# Altium PCB Wireframe.PcbDoc (part 1 of 2)
Units mil, origin at the board's own origin, x right, y up, seen from the top; angles counter-clockwise.
Board outline 1950 x 980 mil, 4 copper layers (Top Layer, power, GND, Bottom Layer), stack 65.6 mil thick; 103 components, 106 nets, 512 pads, 260 vias.
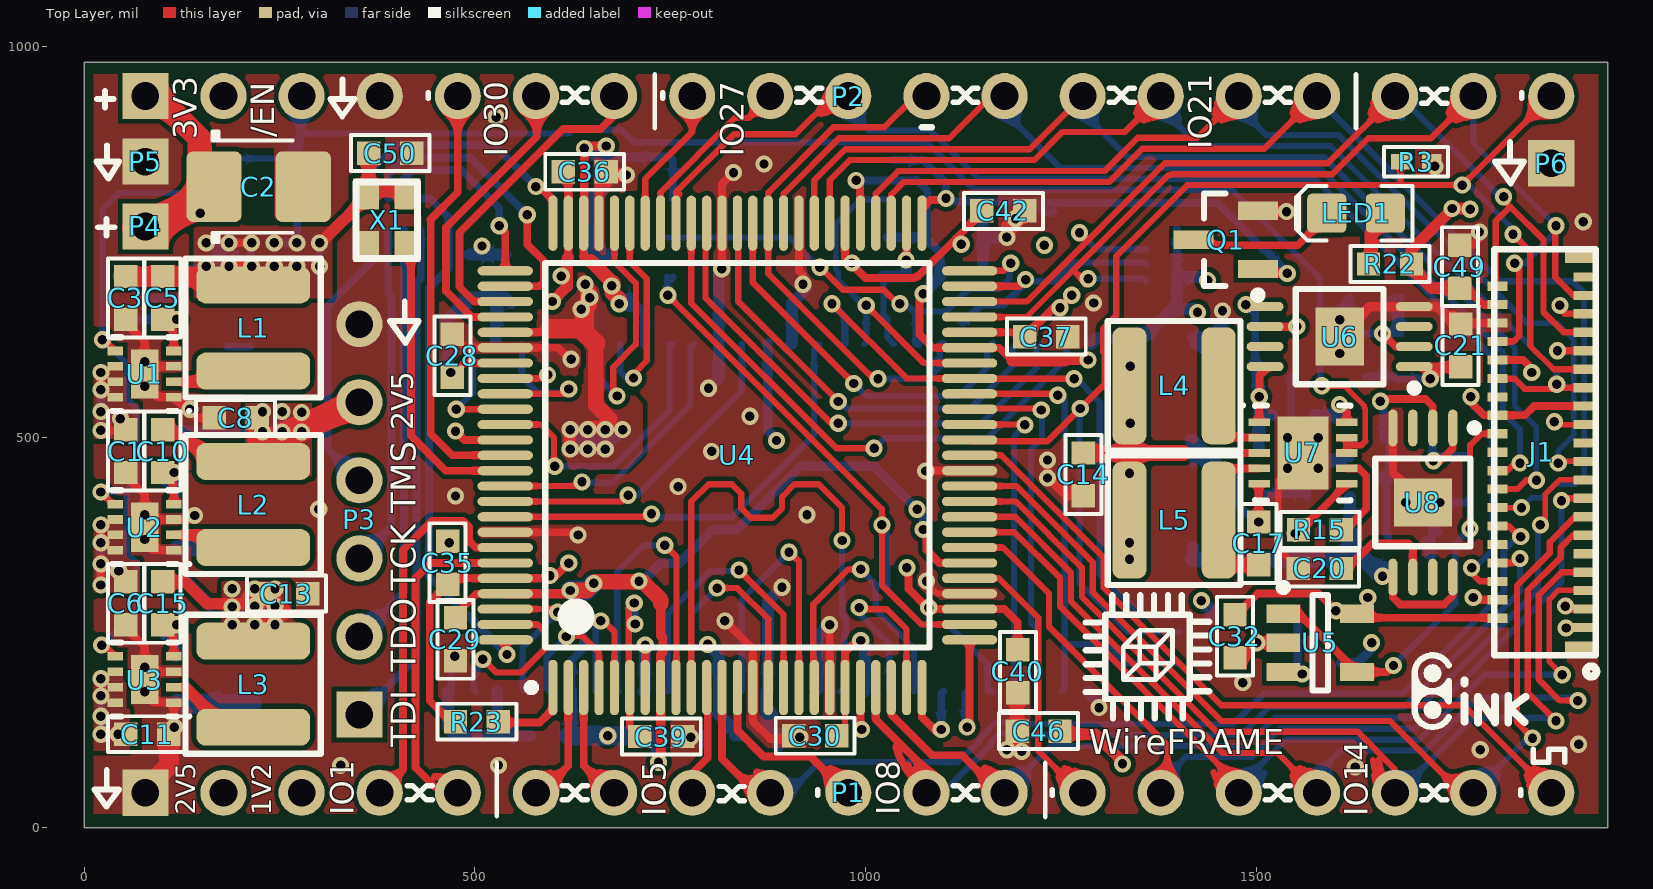
[diagram p0: Top Layer view]
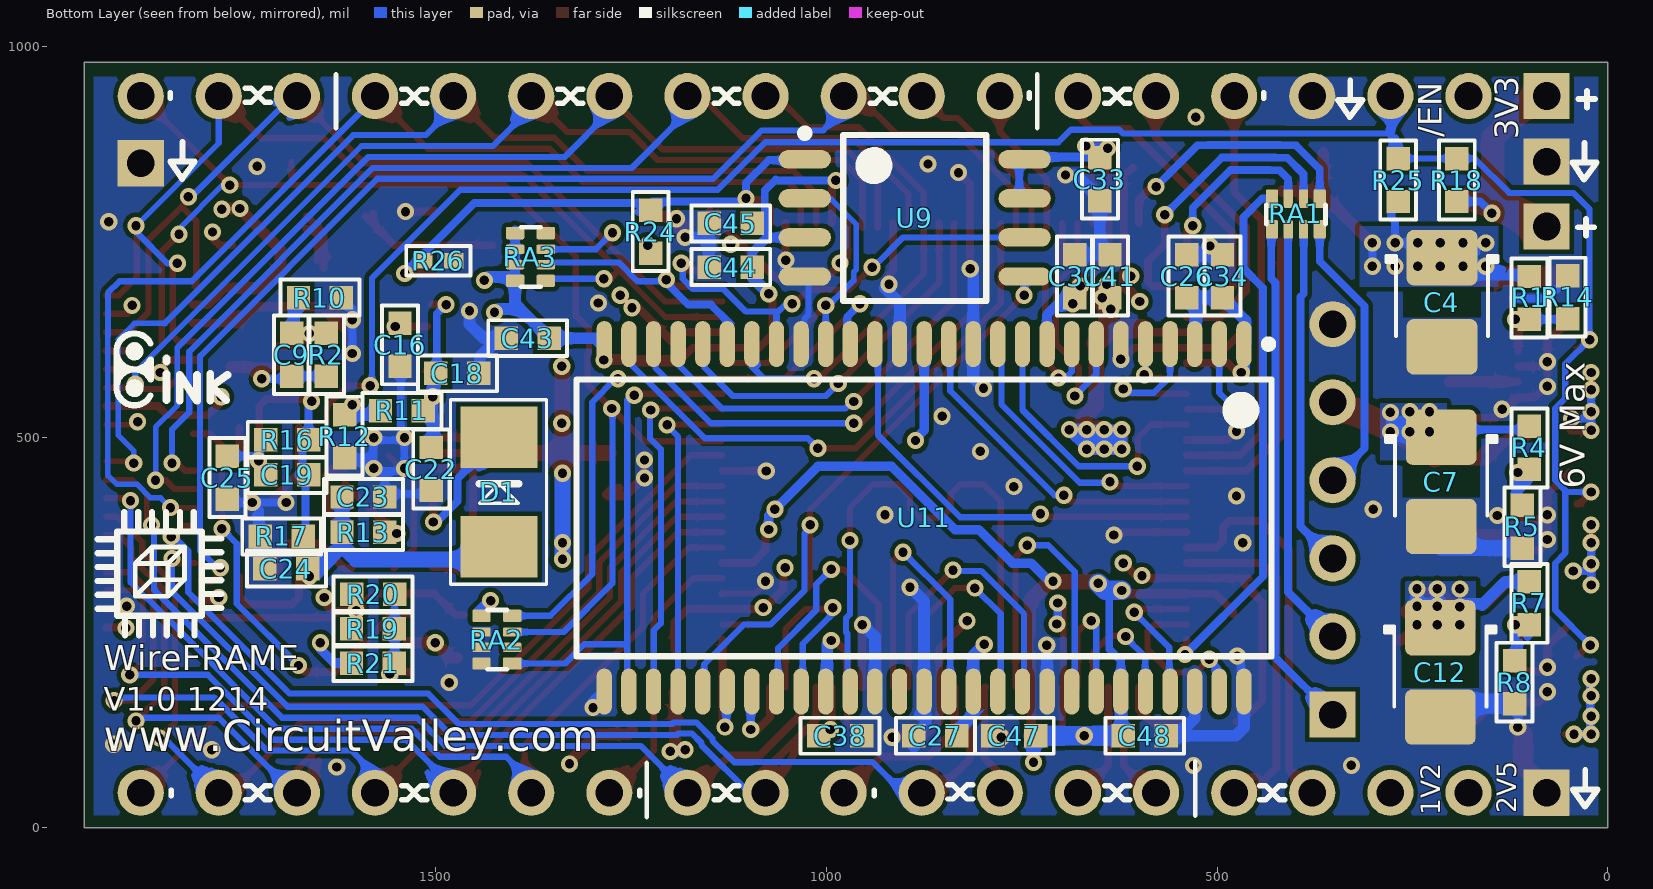
[diagram p1: Bottom Layer view, seen from below]
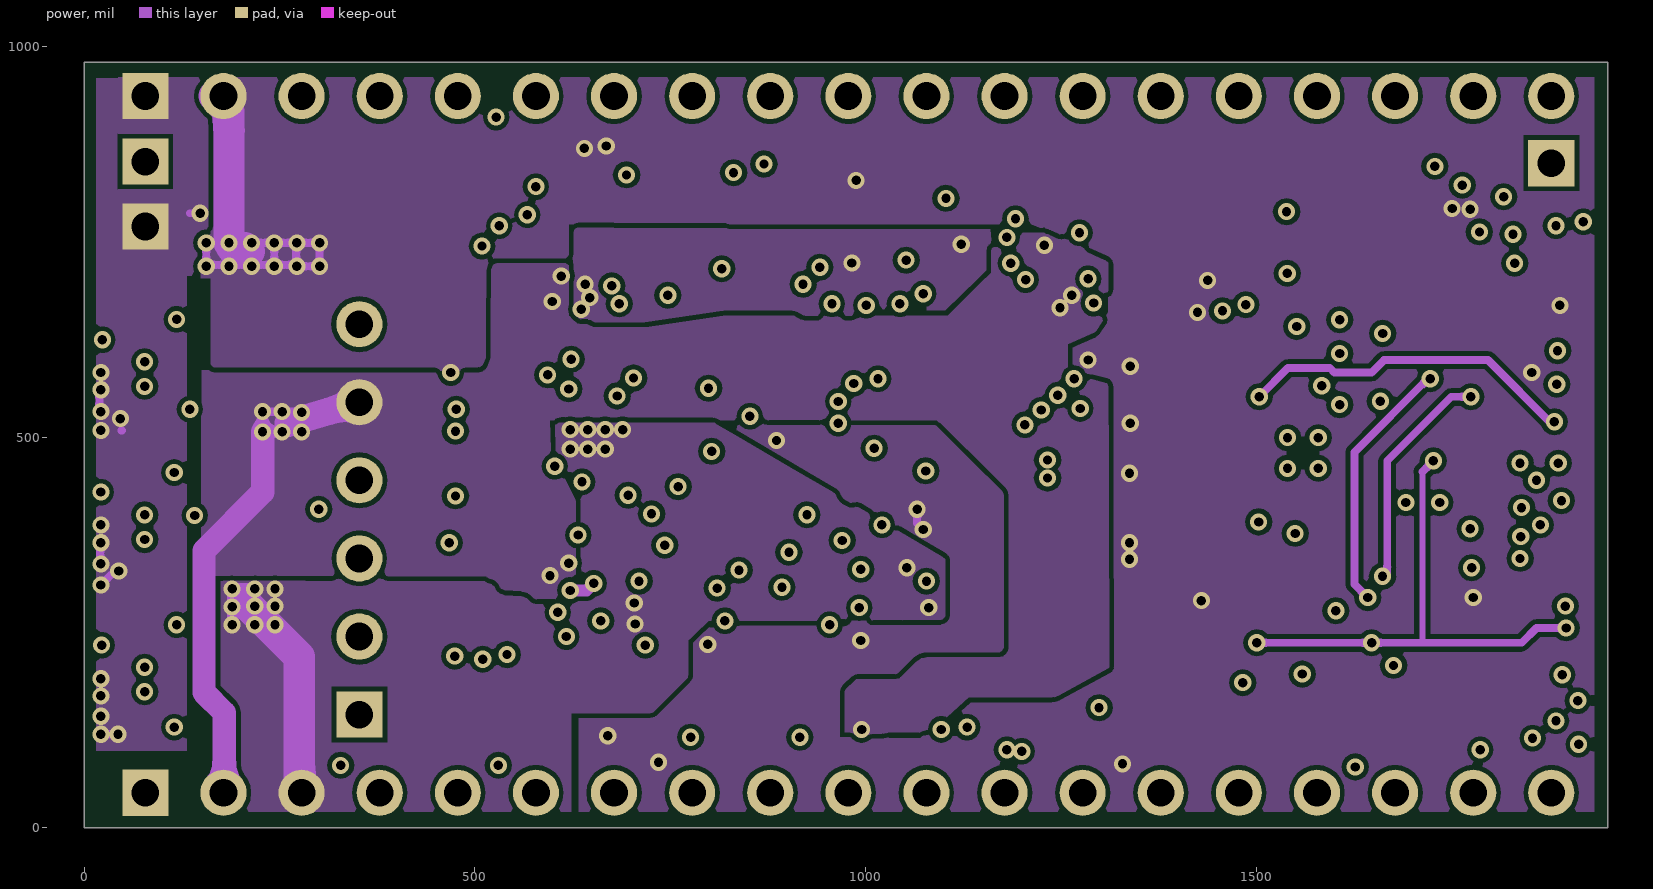
[diagram p2: power]
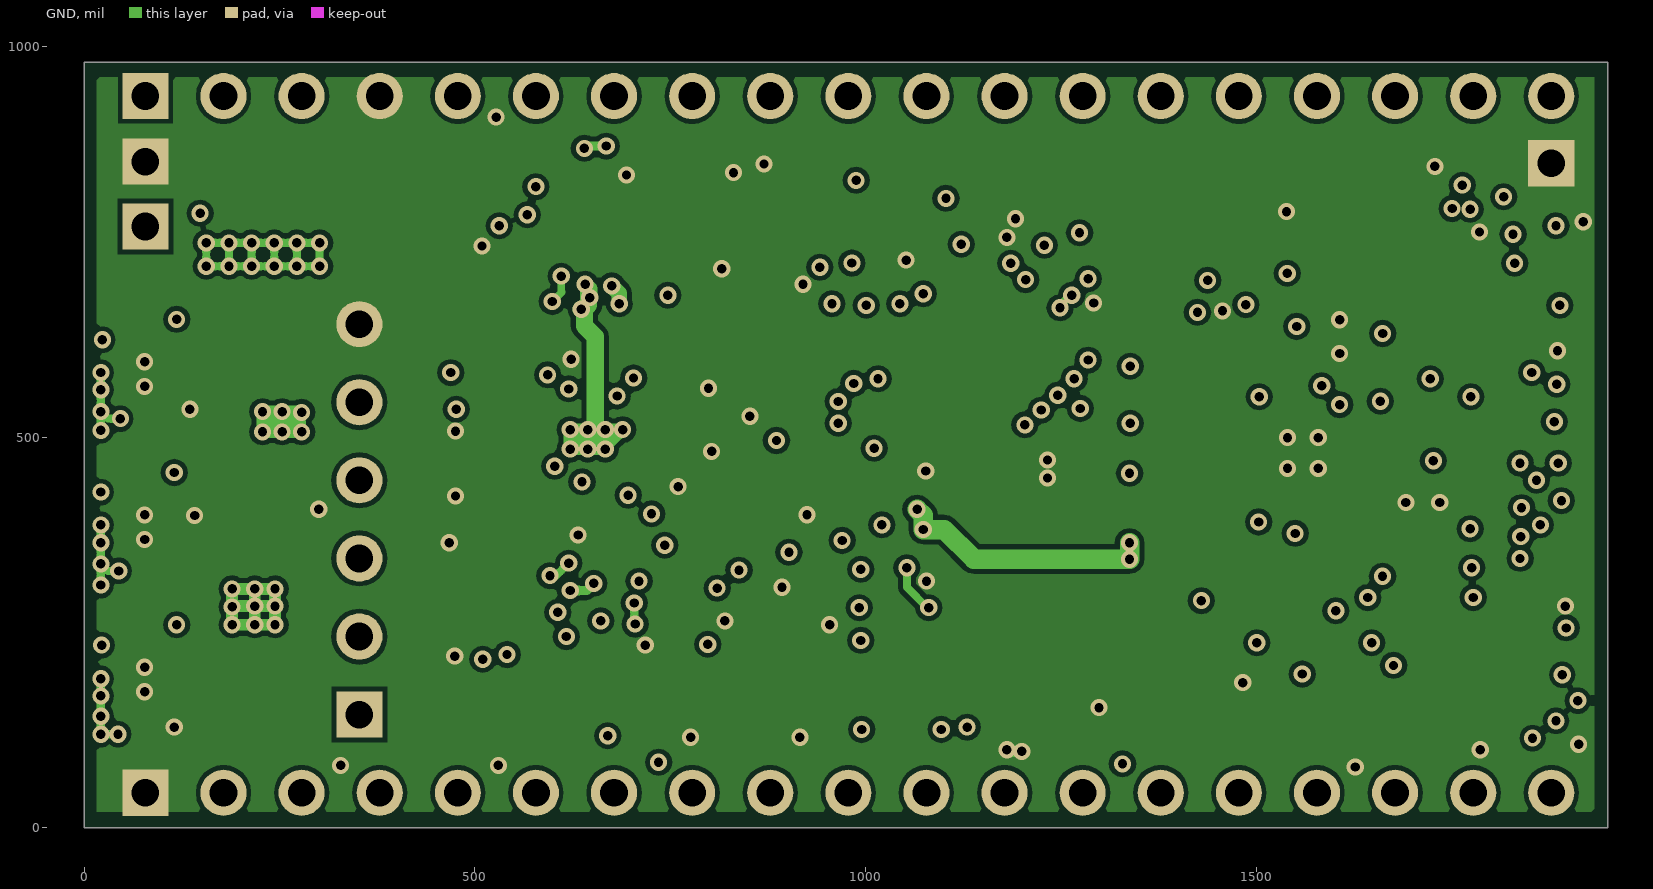
[diagram p3: GND]

## Layer stack, top to bottom
Top Solder: solder mask 0.4, Solder Resist, Dk 3.5
Top Layer: signal copper 1.4
Dielectric1: core 20, FR-4, Dk 4.8
power: signal copper 1.4
Dielectric2: prepreg 20, FR-4, Dk 4.8
GND: signal copper 1.4
Dielectric3: core 20, FR-4, Dk 4.8
Bottom Layer: signal copper 1.4
Bottom Solder: solder mask 0.4, Solder Resist, Dk 3.5

## Board outline
0,0 0,980 1950,980 1950,0 0,0

## Design rules (kind name [scope] priority, off if disabled: settings)
Clearance [All] p1: gap=6
ComponentClearance [All] p1: gap=0 collisioncheckmode=3 verticalgap=0 showdistances=FALSE
HoleSize [All] p1: absolutevalues=TRUE maxlimit=500 minlimit=8 maxpercent=80.000 minpercent=20.000
MinimumSolderMaskSliver [All] p1: minsoldermaskwidth=0
PlaneConnect [All] p1: planeconnectstyle=Relief reliefexpansion=8 reliefentries=4 reliefconductorwidth=8 reliefairgap=0
PolygonConnect [All] p1: connectstyle=Direct reliefconductorwidth=0 reliefentries=4 polygonreliefangle="90 Angle" airgapwidth=0
RoutingVias [All] p1: holewidth=18 width=24 viastyle="Through Hole" minholewidth=8 minwidth=13 maxholewidth=200 maxwidth=200
SilkToSilkClearance [All] p1: silktosilkclearance=0
SilkToSolderMaskClearance [IsPad] p1: minsilkscreentomaskgap=0 clearancetoexposedcopper=TRUE
SolderMaskExpansion [All] p1: expansion=3.6
Width [All] p1: maxlimit=500 minlimit=6 preferedwidth=10
24 further rules are at their usual default settings.

## Components (designator, comment, footprint, x,y, rotation, side; value= is the part's Value field where it differs from the comment)
C1 "10uF" 0603C-GENERIC 53,455 r90 top
C2 "47µ" CAPMP3528X210N 223,821 r0 top
C3 "10uF" 0603C-GENERIC 53,651 r90 top
C4 "47µ" CAPMP3528X210N 212,673 r270 bottom
C5 "10uF" 0603C-GENERIC 100,651 r90 top
C6 "10uF" 0603C-GENERIC 53,260 r90 top
C7 "47µ" CAPMP3528X210N 213,443 r270 bottom
C8 "10uF" 0603C-GENERIC 166,525 r0 top
C9 "1uF" 0603C-GENERIC 1684.54,578.28 r90 bottom
C10 "10uF" 0603C-GENERIC 100,455 r90 top
C11 "10uF" 0603C-GENERIC 108,120 r180 top
C12 "47µ" CAPMP3528X210N 214,199 r270 bottom
C13 "10uF" 0603C-GENERIC 286,300 r180 top
C14 "10uF" 0603C-GENERIC 1279,425 r90 top
C15 "10uF" 0603C-GENERIC 100,260 r90 top
C16 "1uF" 0603C-GENERIC 1546,591 r90 bottom
C17 "1uF" 0603C-GENERIC 1503.32,391.69 r270 top
C18 "22uF" 0603C-GENERIC 1445,582 r0 bottom
C19 "1uF" 0603C-GENERIC 1718,452 r180 bottom
C20 "1uF" 0603C-GENERIC 1608.93,332.16 r180 top
C21 "22uF" 0603C-GENERIC 1761.93,645.16 r270 top
C22 "22uF" 0603C-GENERIC 1506,432 r90 bottom
C23 "22uF" 0603C-GENERIC 1565.32,423.69 r0 bottom
C24 "22uF" 0603C-GENERIC 1719,332 r180 bottom
C25 "22uF" 0603C-GENERIC 1767,421 r90 bottom
C26 "100nf" 0603C-GENERIC 539,734 r270 bottom
C27 "100nf" 0603C-GENERIC 888,118 r180 bottom
C28 "100nf" 0603C-GENERIC 471,632 r270 top
C29 "100nf" 0603C-GENERIC 475,214 r90 top
C30 "100nf" 0603C-GENERIC 908,118 r0 top
C31 "100nf" 0603C-GENERIC 682,734 r270 bottom
C32 "100nf" 0603C-GENERIC 1473,218 r90 top
C33 "100nf" 0603C-GENERIC 650,803 r90 bottom
C34 "100nf" 0603C-GENERIC 493,734 r270 bottom
C35 "100nf" 0603C-GENERIC 465,367 r270 top
C36 "100nf" 0603C-GENERIC 668,840 r180 top
C37 "100nf" 0603C-GENERIC 1259,629 r180 top
C38 "100nf" 0603C-GENERIC 955,118 r0 bottom
C39 "100nf" 0603C-GENERIC 766,117 r180 top
C40 "100nf" 0603C-GENERIC 1195,173 r90 top
C41 "100nf" 0603C-GENERIC 637,734 r270 bottom
C42 "100nf" 0603C-GENERIC 1204,790 r180 top
C43 "100nf" 0603C-GENERIC 1410,627 r180 bottom
C44 "100nf" 0603C-GENERIC 1150,718 r180 bottom
C45 "100nf" 0603C-GENERIC 1150,774 r180 bottom
C46 "100nf" 0603C-GENERIC 1194,124 r0 top
C47 "100nf" 0603C-GENERIC 787,118 r180 bottom
C48 "100nf" 0603C-GENERIC 565,118 r0 bottom
C49 "100nf" 0603C-GENERIC 1761,746 r270 top
C50 "100nf" 0603C-GENERIC 419,864 r180 top
D1 "SS4822" DIODE-SMA 1419.32,325.69 r270 bottom
J1 "FH26-39S-0.3SHW" FH26-39S-0.3SHW 1864,481 r90 top
L1 "Inductor" TAIYO_NRS4018T2R2MDGJ 216,640 r90 top
L2 "Inductor" TAIYO_NRS4018T2R2MDGJ 216,414 r90 top
L3 "Inductor" TAIYO_NRS4018T2R2MDGJ 216,184 r90 top
L4 "10uh" IFSC-1515AH-01 1395,566 r0 top
L5 "10uh" IFSC-1515AH-01 1395,394 r0 top
LED1 "Blue" LED-0805-K 1628,787 r180 top
P1 "Header 19" HDR1X19 78,45 r0 top
P2 "Header 19" HDR1X19 78,937 r0 top
P3 "Header 6" HDR1X6 352,145 r90 top
P4 "Plug" PIN1#1 -138.94,871 r180 top
P5 "Plug" PIN1#2 -308,832 r180 top
P6 "Plug" PIN1#3 1878,851 r0 top
Q1 "UN2214" SOT23_N 1461,753 r180 top
R1 "2K2" 0603R-2K2 100,651 r90 bottom
R2 "2K2" 0603R-2K2 1640.54,633.28 r270 bottom
R3 "100R" 0402R-GENERIC 1685,853 r0 top
R4 "2K2" 0603R-2K2 100,459 r90 bottom
R5 "2K2" 0603R-2K2 109,358 r90 bottom
R7 "2K2" 0603R-2K2 100,260 r90 bottom
R8 "2K2" 0603R-2K2 119,159 r90 bottom
R10 "2K2" 0603R-2K2 1676,679 r180 bottom
R11 "2K2" 0603R-2K2 1571,534 r180 bottom
R12 "2K2" 0603R-2K2 1617,474 r90 bottom
R13 "2K2" 0603R-2K2 1565.32,378.69 r0 bottom
R14 "2K2" 0603R-2K2 51,707 r270 bottom
R15 "2K2" 0603R-2K2 1609.32,381.69 r180 top
R16 "2K2" 0603R-2K2 1663,497 r0 bottom
R17 "2K2" 0603R-2K2 1669.93,373.16 r0 bottom
R18 "2K2" 0603R-2K2 193,857 r270 bottom
R19 "2K2" 0603R-2K2 1553.16,255 r0 bottom
R20 "2K2" 0603R-2K2 1552.91,299 r0 bottom
R21 "2K2" 0603R-2K2 1608.16,211 r180 bottom
R22 "2K2" 0603R-2K2 1644,722 r0 top
R23 "4K7" 0603R-2K2 530,136 r180 top
R24 "330R" 0603R-2K2 1225,791 r270 bottom
R25 "330R" 0603R-2K2 268,857 r270 bottom
R26 "100R" 0402R-GENERIC 1517,726 r180 bottom
RA1 "Thick Film" EXV28V 399,786 r270 bottom
RA2 "Thick Film" EXV28V 1422,241 r180 bottom
RA3 "Thick Film" EXV28V 1379,731 r180 bottom
U1 "TPS62065DSGR" DSG8-1600X900TP 77,581 r180 top
U2 "TPS62065DSGR" DSG8-1600X900TP 77,385 r180 top
U3 "TPS62065DSGR" DSG8-1600X900TP 77,190 r180 top
U4 "XC3S250E-4VQ100C" VQ100_N 836,477 r90 top
U5 "OPA244NA/250" TI-DBV5_N 1582.16,237 r0 top
U6 "TPS7A4901DGNR" TI-DGN8-1760X1425TP_N 1607,629 r180 top
U7 "LT3463AEDD" LT-DD-10_V 1560,480 r0 top
U8 "TPS7A3001DGNR" TI-DGN8-1760X1425TP_N 1713.54,416.63 r270 top
U9 "SST25VF016B-50-4C-S2AF" MCHP-SOIC-S2A8_N 887,781 r180 bottom
U11 "K4S511632B-TC75" 54_TSOP2_400AF_N 875,397 r270 bottom
X1 "DSO221SR" "Active Oscillator 2520" 387,778 r270 top

## Footprints (in the part's own frame and the unit in brackets; to place one, negate y for a bottom-side part, rotate by r counter-clockwise, add the part's x,y. Pads: shape width x height; smd on the part's side, far side on the other; paste and mask are expansions set on the pad)
54_TSOP2_400AF_N [mm] "SOP, 54-Leads, Body 22.5x10.16mm, Pitch 0.8mm, IPC Medium Density"
  oval 1.5x0.5 smd: 1(-5.65,10.4) 2(-5.65,9.6) 3(-5.65,8.8) 4(-5.65,8) 5(-5.65,7.2) 6(-5.65,6.4) 7(-5.65,5.6) 8(-5.65,4.8) 9(-5.65,4) 10(-5.65,3.2) 11(-5.65,2.4) 12(-5.65,1.6) 13(-5.65,0.8) 14(-5.65,0) 15(-5.65,-0.8) 16(-5.65,-1.6) 17(-5.65,-2.4) 18(-5.65,-3.2) 19(-5.65,-4) 20(-5.65,-4.8) 21(-5.65,-5.6) 22(-5.65,-6.4) 23(-5.65,-7.2) 24(-5.65,-8) 25(-5.65,-8.8) 26(-5.65,-9.6) 27(-5.65,-10.4) 28(5.65,-10.4) 29(5.65,-9.6) 30(5.65,-8.8) 31(5.65,-8) 32(5.65,-7.2) 33(5.65,-6.4) 34(5.65,-5.6) 35(5.65,-4.8) 36(5.65,-4) 37(5.65,-3.2) 38(5.65,-2.4) 39(5.65,-1.6) 40(5.65,-0.8) 41(5.65,0) 42(5.65,0.8) 43(5.65,1.6) 44(5.65,2.4) 45(5.65,3.2) 46(5.65,4) 47(5.65,4.8) 48(5.65,5.6) 49(5.65,6.4) 50(5.65,7.2) 51(5.65,8) 52(5.65,8.8) 53(5.65,9.6) 54(5.65,10.4)
  silkscreen extent -5.77,-11.3 4.5,11.32, body extent -5.08,-11.23 5.08,11.23, height 1.2
0402R-GENERIC [mil]
  rect 25x20 smd: 1(0,0) 2(40,0)
  silkscreen extent -21,-19 61,19, body extent -6,-10 46,10, height 14
0603C-GENERIC [mil] "CAPACITOR 0603"
  rect 30x30 smd: 1(0,0) 2(55,0)
  silkscreen extent -23,-23 78,23, body extent -4,-15 59,15, height 19
0603R-2K2 [mil] "RESISTOR 0603"
  rect 30x30 smd: 1(0,0) 2(55,0)
  silkscreen extent -23,-23 78,23, body extent -4,-15 59,15, height 20
"Active Oscillator 2520" [mm] "2520"
  rect 1x0.85 smd: 1(-0.85,-0.675) 2(0.85,-0.675) 3(0.85,0.675) 4(-0.85,0.675)
  silkscreen extent -1.25,-1 1.25,1, body extent -1.25,-1 1.25,1, height 0.56
CAPMP3528X210N [mm] "Molded body capacitor, Body 3.5x2.8mm, 1210, IPC Nominal settings"
  round 0.254 on Mech14: 0(0,0)
  rrect25% 1.8x2.3 smd: 1(-1.45,0) 2(1.45,0)
  Top Layer pour cut-out: -0.508,1.27 0.508,1.27 0.508,-1.27 -0.508,-1.27
  silkscreen extent -1.5,-1.8 1.1,1.8, body extent -1.75,-1.4 1.75,1.4, height 2.1
DIODE-SMA [mm]
  rect 2x2.5 smd: A(-0.875,0) K(-4.425,0)
  silkscreen extent -5.65,-1.58 0.35,1.55, body extent -5.2,-1.3 0,1.3, height 2.4
DSG8-1600X900TP [mm] "SON, 8-Leads, Body 2x2mm, Pitch 0.5mm, Thermal Pad 1.6x0.9mm, TI Recommended"
  rect 0.5x0.28 smd paste-0.14 mask+0.07: 1(-0.95,0.75) 2(-0.95,0.25) 3(-0.95,-0.25) 4(-0.95,-0.75) 5(0.95,-0.75) 6(0.95,-0.25) 7(0.95,0.25) 8(0.95,0.75)
  rect 0.9x1.6 smd paste-0.45 mask+0.07: 9(0,0)
  silkscreen extent -1.5,-1.2 1.05,1.25, body extent -1.05,-1.05 1.05,1.05, height 0.8
EXV28V [mm] "resistor network"
  round 0.254 on Mech14: 0(0,0)
  rrect25% 0.6x0.4 smd: 1(-0.5,0.775) 4(-0.5,-0.775) 5(0.5,-0.775) 8(0.5,0.775)
  rrect25% 0.6x0.3 smd: 2(-0.5,0.25) 3(-0.5,-0.25) 6(0.5,-0.25) 7(0.5,0.25)
  silkscreen extent -0.3,-0.97 0.33,0.97, body extent -0.5,-1 0.5,1, height 0.35
FH26-39S-0.3SHW [mm]
  rect 0.3x0.8 smd: 1(-5.7,-1.475) 3(-5.1,-1.475) 5(-4.5,-1.475) 7(-3.9,-1.475) 9(-3.3,-1.475) 11(-2.7,-1.475) 13(-2.1,-1.475) 15(-1.5,-1.475) 17(-0.9,-1.475) 19(-0.3,-1.475) 21(0.3,-1.475) 23(0.9,-1.475) 25(1.5,-1.475) 27(2.1,-1.475) 29(2.7,-1.475) 31(3.3,-1.475) 33(3.9,-1.475) 35(4.5,-1.475) 37(5.1,-1.475) 39(5.7,-1.475)
  rect 0.3x0.65 smd: 2(-5.4,1.4) 4(-4.8,1.4) 6(-4.2,1.4) 8(-3.6,1.4) 10(-3,1.4) 12(-2.4,1.4) 14(-1.8,1.4) 16(-1.2,1.4) 18(-0.6,1.4) 20(0,1.4) 22(0.6,1.4) 24(1.2,1.4) 26(1.8,1.4) 28(2.4,1.4) 30(3,1.4) 32(3.6,1.4) 34(4.2,1.4) 36(4.8,1.4) 38(5.4,1.4)
  rect 0.4x0.95 smd: 40(-6.35,-1.275) 41(6.35,-1.275)
  silkscreen extent -7.3,-1.82 6.6,1.5, body extent -6.6,-1.85 6.6,1.65, height 0.99
HDR1X6 [mm] "Connector; Header; 6 Position"
  rect 1.5x1.5 hole 0.9: 1(0,0)
  round 1.5 hole 0.9: 2(2.54,0) 3(5.08,0) 4(7.62,0) 5(10.16,0) 6(12.7,0)
HDR1X19 [mm] "Connector; Header; 19 Position"
  rect 1.5x1.5 hole 0.9: 1(0,0)
  round 1.5 hole 0.9: 2(2.54,0) 3(5.08,0) 4(7.62,0) 5(10.16,0) 6(12.7,0) 7(15.24,0) 8(17.78,0) 9(20.32,0) 10(22.86,0) 11(25.4,0) 12(27.94,0) 13(30.48,0) 14(33.02,0) 15(35.56,0) 16(38.1,0) 17(40.64,0) 18(43.18,0) 19(45.72,0)
IFSC-1515AH-01 [mm] "Vishay Dale Low Profile, High Current Inductors"
  rrect50% 1.1x3.8 smd: 1(-1.45,0) 2(1.45,0)
  silkscreen extent -2.16,-2.11 2.16,2.11, body extent -1.97,-1.95 1.98,2, height 1.65
LED-0805-K [mil]
  round 20 on Mech14: 0(0,0)
  rrect25% 50x50 smd: A(-37.5,0) K(37.5,0)
  Top Layer pour cut-out: -15,30 15,30 15,-30 -15,-30
  silkscreen extent -72,-35 77,35, body extent -39,-25 39,25, height 31
LT-DD-10_V [mm] "SON, 10-Leads, Body 3x3mm, Pitch 0.5mm, Thermal Pad 2.38x1.65mm"
  rect 0.7x0.25 smd mask+0.102: 1(-1.425,1) 2(-1.425,0.5) 3(-1.425,0) 4(-1.425,-0.5) 5(-1.425,-1) 6(1.425,-1) 7(1.425,-0.5) 8(1.425,0) 9(1.425,0.5) 10(1.425,1)
  rect 1.65x2.38 smd mask+0.102: 11(0,0)
  silkscreen extent -2,-1.55 1.55,1.6, body extent -1.5,-1.5 1.5,1.5, height 0.8
MCHP-SOIC-S2A8_N [mm] "SOIC, 8-Leads, Body 5.275x5.275mm, Pitch 1.27mm, IPC Medium Density"
  oval 1.7x0.6 smd: 1(-3.575,1.905) 2(-3.575,0.635) 3(-3.575,-0.635) 4(-3.575,-1.905) 5(3.575,-1.905) 6(3.575,-0.635) 7(3.575,0.635) 8(3.575,1.905)
  silkscreen extent -3.7,-2.7 2.33,2.88, body extent -2.7,-2.7 2.7,2.7, height 2.16
PIN1#1 [mm] "Connector; Plug"
  rect 1.5x1.5 hole 0.9: 1(-5.51,2.565)
PIN1#2 [mm] "Connector; Plug"
  rect 1.5x1.5 hole 0.9: 1(-9.804,-0.533)
PIN1#3 [mm] "Connector; Plug"
  rect 1.5x1.5 hole 0.9: 1(0,0)
SOT23_N [mm] "SOT23, 3-Leads, Body 2.9x1.3mm, Pitch 0.95mm, Lead Span 2.3mm, IPC Medium Density"
  rect 1.3x0.6 smd: 1(-1.05,0.95) 2(-1.05,-0.95) 3(1.05,0)
  silkscreen extent -1.18,-1.5 0.7,1.92, body extent -0.7,-1.5 0.7,1.5, height 1.1
TAIYO_NRS4018T2R2MDGJ [mm] "TAIYO"
  rrect50% 1.2x3.7 smd: 1(-1.4,0) 2(1.4,0)
  silkscreen extent -2.26,-2.2 2.26,2.2, body extent -1.5,-1.5 1.5,1.5, height 1.35
TI-DBV5_N [mm] "SOT23, 5-Leads, Body 2.9x1.6mm, Pitch 0.95mm, IPC Medium Density"
  rect 1.1x0.6 smd: 1(-1.2,0.95) 2(-1.2,0) 3(-1.2,-0.95) 4(1.2,-0.95) 5(1.2,0.95)
  silkscreen extent -1.32,-1.55 0.25,1.92, body extent -0.87,-1.52 0.87,1.53, height 1.45
TI-DGN8-1760X1425TP_N [mm] "SOIC, 8-Leads, Body 3x3mm, Pitch 0.65mm, Thermal Pad 1.76x1.425mm, IPC Medium Density"
  oval 1.2x0.3 smd: 1(-2.425,0.975) 2(-2.425,0.325) 3(-2.425,-0.325) 4(-2.425,-0.975) 5(2.425,-0.975) 6(2.425,-0.325) 7(2.425,0.325) 8(2.425,0.975)
  rect 1.57x1.89 smd: 9(0,0)
  silkscreen extent -2.55,-1.55 1.43,1.8, body extent -1.55,-1.55 1.55,1.55, height 1.1
VQ100_N [mm] "Thin QFP, 100-Leads, Body 14x14mm, Pitch 0.5mm, IPC Medium Density"
  oval 1.8x0.3 smd: 1(-7.55,6) 2(-7.55,5.5) 3(-7.55,5) 4(-7.55,4.5) 5(-7.55,4) 6(-7.55,3.5) 7(-7.55,3) 8(-7.55,2.5) 9(-7.55,2) 10(-7.55,1.5) 11(-7.55,1) 12(-7.55,0.5) 13(-7.55,0) 14(-7.55,-0.5) 15(-7.55,-1) 16(-7.55,-1.5) 17(-7.55,-2) 18(-7.55,-2.5) 19(-7.55,-3) 20(-7.55,-3.5) 21(-7.55,-4) 22(-7.55,-4.5) 23(-7.55,-5) 24(-7.55,-5.5) 25(-7.55,-6) 51(7.55,-6) 52(7.55,-5.5) 53(7.55,-5) 54(7.55,-4.5) 55(7.55,-4) 56(7.55,-3.5) 57(7.55,-3) 58(7.55,-2.5) 59(7.55,-2) 60(7.55,-1.5) 61(7.55,-1) 62(7.55,-0.5) 63(7.55,0) 64(7.55,0.5) 65(7.55,1) 66(7.55,1.5) 67(7.55,2) 68(7.55,2.5) 69(7.55,3) 70(7.55,3.5) 71(7.55,4) 72(7.55,4.5) 73(7.55,5) 74(7.55,5.5) 75(7.55,6)
  oval 0.3x1.8 smd: 26(-6,-7.55) 27(-5.5,-7.55) 28(-5,-7.55) 29(-4.5,-7.55) 30(-4,-7.55) 31(-3.5,-7.55) 32(-3,-7.55) 33(-2.5,-7.55) 34(-2,-7.55) 35(-1.5,-7.55) 36(-1,-7.55) 37(-0.5,-7.55) 38(0,-7.55) 39(0.5,-7.55) 40(1,-7.55) 41(1.5,-7.55) 42(2,-7.55) 43(2.5,-7.55) 44(3,-7.55) 45(3.5,-7.55) 46(4,-7.55) 47(4.5,-7.55) 48(5,-7.55) 49(5.5,-7.55) 50(6,-7.55) 76(6,7.55) 77(5.5,7.55) 78(5,7.55) 79(4.5,7.55) 80(4,7.55) 81(3.5,7.55) 82(3,7.55) 83(2.5,7.55) 84(2,7.55) 85(1.5,7.55) 86(1,7.55) 87(0.5,7.55) 88(0,7.55) 89(-0.5,7.55) 90(-1,7.55) 91(-1.5,7.55) 92(-2,7.55) 93(-2.5,7.55) 94(-3,7.55) 95(-3.5,7.55) 96(-4,7.55) 97(-4.5,7.55) 98(-5,7.55) 99(-5.5,7.55) 100(-6,7.55)